# KiCad board EOutside.kicad_pcb (continued)
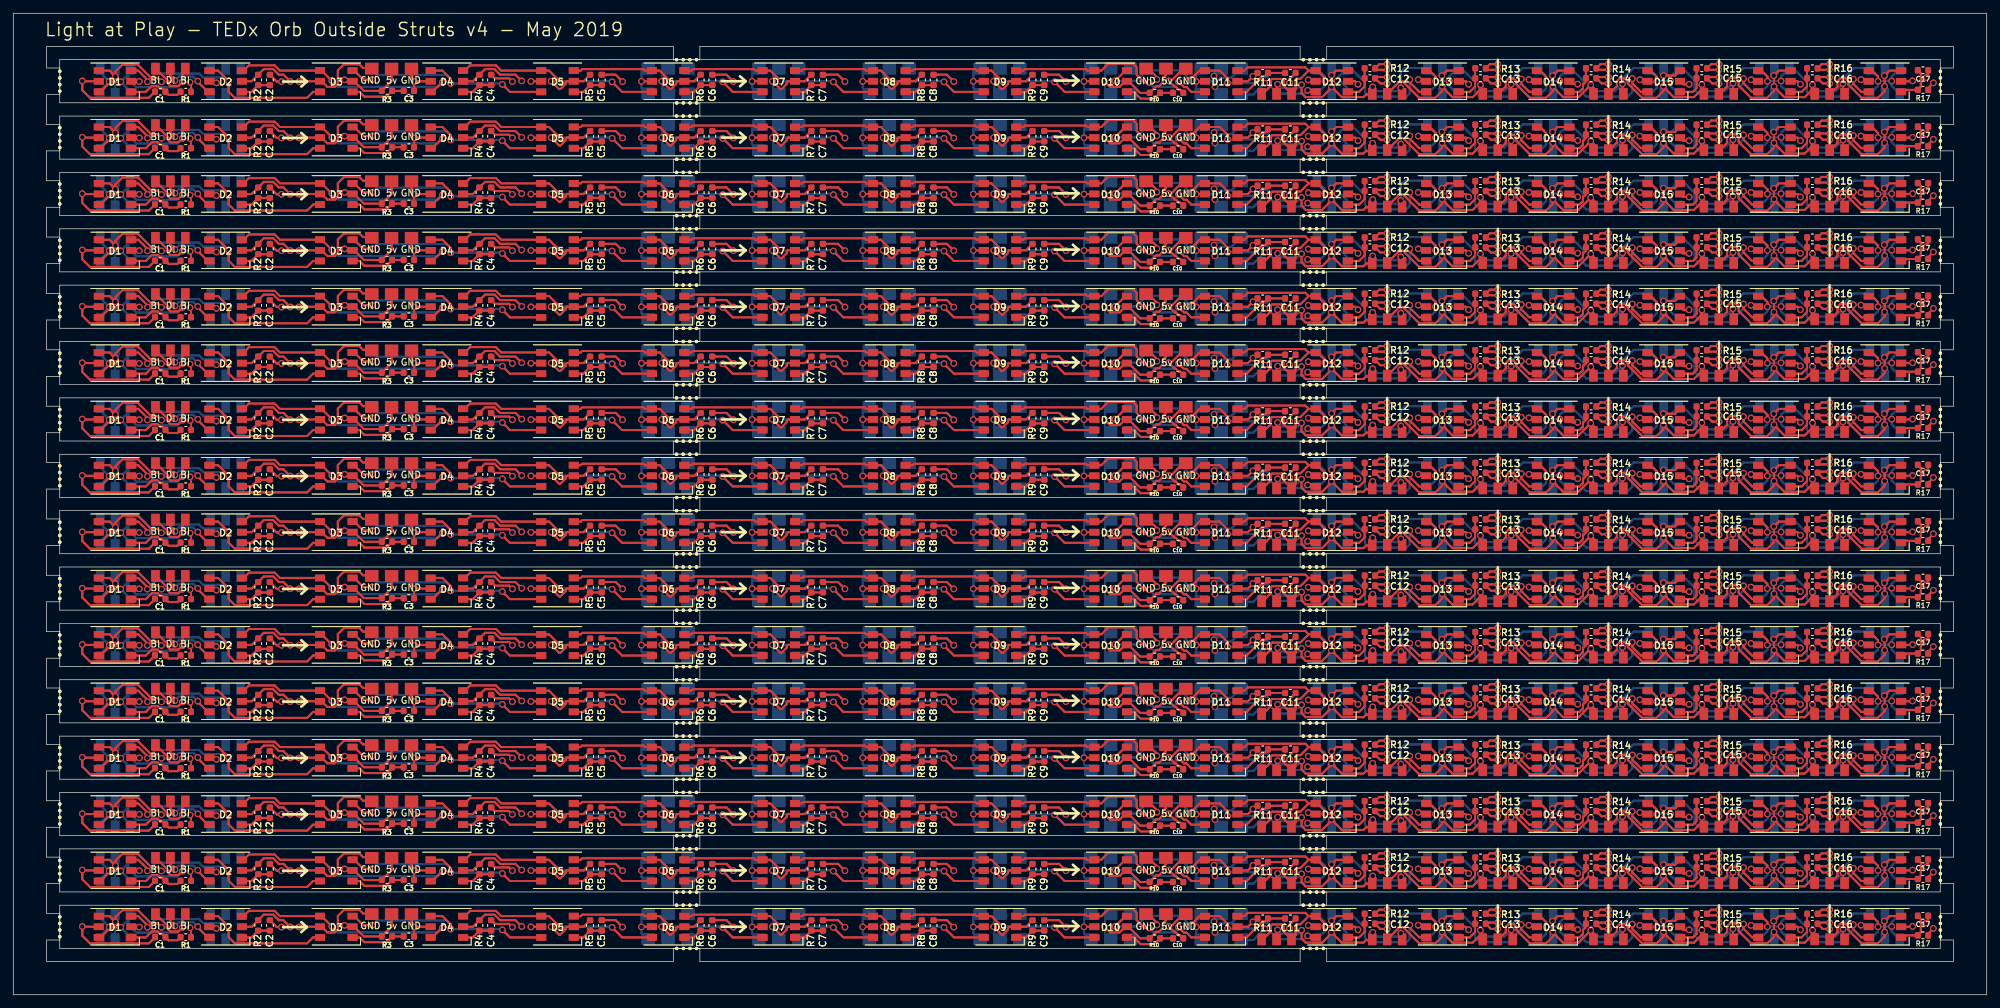
[diagram p0: board, top side]
## Routing (per net, layer and track width the routed paths; a pad name or vN(x,y) marks a point on that pad's centre or on a via; arc(x,y) is an arc through that point) (continued)
  Bottom w0.3: 90.11,137.77 v1(90.22,137.65) 90.11,137.77 ; 90.11,137.77 v1(82.3,137.77) 90.11,137.77 ; 90.11,129.27 v1(90.22,129.15) 90.11,129.27 ; 90.11,129.27 v1(82.3,129.27) 90.11,129.27 ; 90.11,120.77 v1(90.22,120.65) 90.11,120.77 ; 90.11,120.77 v1(82.3,120.77) 90.11,120.77 ; 90.11,112.27 v1(82.3,112.27) 90.11,112.27 ; 90.11,112.27 v1(90.22,112.15) 90.11,112.27 ; 90.11,103.77 v1(90.22,103.65) 90.11,103.77 ; 90.11,103.77 v1(82.3,103.77) 90.11,103.77 ; 90.11,95.27 v1(82.3,95.27) 90.11,95.27 ; 90.11,95.27 v1(90.22,95.15) 90.11,95.27 ; 90.11,78.27 v1(82.3,78.27) 90.11,78.27 ; 90.11,78.27 v1(90.22,78.15) 90.11,78.27 ; 90.11,86.77 v1(90.22,86.65) 90.11,86.77 ; 90.11,86.77 v1(82.3,86.77) 90.11,86.77 ; 90.11,69.77 v1(90.22,69.65) 90.11,69.77 ; 90.11,69.77 v1(82.3,69.77) 90.11,69.77 ; 90.11,61.27 v1(82.3,61.27) 90.11,61.27 ; 90.11,61.27 v1(90.22,61.15) 90.11,61.27 ; 90.11,44.27 v1(82.3,44.27) 90.11,44.27 ; 90.11,44.27 v1(90.22,44.15) 90.11,44.27 ; 90.11,52.77 v1(90.22,52.65) 90.11,52.77 ; 90.11,52.77 v1(82.3,52.77) 90.11,52.77 ; 90.11,27.27 v1(82.3,27.27) 90.11,27.27 ; 90.11,27.27 v1(90.22,27.15) 90.11,27.27 ; 90.11,35.77 v1(90.22,35.65) 90.11,35.77 ; 90.11,35.77 v1(82.3,35.77) 90.11,35.77 ; 90.11,18.77 v1(90.22,18.65) 90.11,18.77 ; 90.11,18.77 v1(82.3,18.77) 90.11,18.77 ; 90.11,10.27 v1(82.3,10.27) 90.11,10.27 ; 90.11,10.27 v1(90.22,10.15) 90.11,10.27
Net-(D5-Pad3): length 958.2
  Top w0.3: 107.39,137.15 v1(106.89,137.65) 107.39,137.15 ; 107.39,137.15 108.39,136.15 ; 107.39,137.15 108.39,136.15 ; 108.39,136.15 D7.6 108.39,136.15 ; 85.5,139.35 D5.3 85.5,139.35 ; 85.5,139.35 85.73,139.58 ; 85.5,139.35 85.73,139.58 ; 85.73,139.58 94.94,139.58 ; 85.73,139.58 94.94,139.58 ; 94.94,139.58 95.17,139.35 ; 94.94,139.58 95.17,139.35 ; 95.17,139.35 D6.4 ; 95.17,139.35 D6.4 ; D6.4 97.39,139.35 ; D6.4 97.39,139.35 ; 98.47,138.27 v1(98.97,137.77) 98.47,138.27 ; 98.47,138.27 97.39,139.35 ; 98.47,138.27 97.39,139.35 ; 107.39,128.65 v1(106.89,129.15) 107.39,128.65 ; 107.39,128.65 108.39,127.65 ; 107.39,128.65 108.39,127.65 ; 108.39,127.65 D7#2.6 108.39,127.65 ; 98.47,129.77 v1(98.97,129.27) 98.47,129.77 ; 98.47,129.77 97.39,130.85 ; 98.47,129.77 97.39,130.85 ; 97.39,130.85 D6#2.4 ; 97.39,130.85 D6#2.4 ; D6#2.4 95.17,130.85 ; D6#2.4 95.17,130.85 ; 85.5,130.85 D5#2.3 85.5,130.85 ; 85.5,130.85 85.73,131.08 ; 85.5,130.85 85.73,131.08 ; 85.73,131.08 94.94,131.08 ; 85.73,131.08 94.94,131.08 ; 94.94,131.08 95.17,130.85 ; 94.94,131.08 95.17,130.85 ; 107.39,120.15 v1(106.89,120.65) 107.39,120.15 ; 107.39,120.15 108.39,119.15 ; 107.39,120.15 108.39,119.15 ; 108.39,119.15 D7#3.6 108.39,119.15 ; 98.47,121.27 v1(98.97,120.77) 98.47,121.27 ; 98.47,121.27 97.39,122.35 ; 98.47,121.27 97.39,122.35 ; 97.39,122.35 D6#4.4 ; 97.39,122.35 D6#4.4 ; D6#4.4 95.17,122.35 ; D6#4.4 95.17,122.35 ; 85.5,122.35 D5#3.3 85.5,122.35 ; 85.5,122.35 85.73,122.58 ; 85.5,122.35 85.73,122.58 ; 85.73,122.58 94.94,122.58 ; 85.73,122.58 94.94,122.58 ; 94.94,122.58 95.17,122.35 ; 94.94,122.58 95.17,122.35 ; 95.17,113.85 94.94,114.08 ; 95.17,113.85 D6#3.4 ; 95.17,113.85 94.94,114.08 ; 95.17,113.85 D6#3.4 ; 94.94,114.08 85.73,114.08 ; 94.94,114.08 85.73,114.08 ; D6#3.4 97.39,113.85 ; D6#3.4 97.39,113.85 ; 85.73,114.08 85.5,113.85 ; 85.73,114.08 85.5,113.85 ; 85.5,113.85 D5#4.3 85.5,113.85 ; 97.39,113.85 98.47,112.77 ; 97.39,113.85 98.47,112.77 ; 98.47,112.77 v1(98.97,112.27) 98.47,112.77 ; 108.39,110.65 D7#4.6 108.39,110.65 ; 108.39,110.65 107.39,111.65 ; 108.39,110.65 107.39,111.65 ; 107.39,111.65 v1(106.89,112.15) 107.39,111.65 ; 107.39,103.15 v1(106.89,103.65) 107.39,103.15 ; 107.39,103.15 108.39,102.15 ; 107.39,103.15 108.39,102.15 ; 108.39,102.15 D7#13.6 108.39,102.15 ; 98.47,104.27 v1(98.97,103.77) 98.47,104.27 ; 98.47,104.27 97.39,105.35 ; 98.47,104.27 97.39,105.35 ; 97.39,105.35 D6#14.4 ; 97.39,105.35 D6#14.4 ; D6#14.4 95.17,105.35 ; D6#14.4 95.17,105.35 ; 85.5,105.35 D5#11.3 85.5,105.35 ; 85.5,105.35 85.73,105.58 ; 85.5,105.35 85.73,105.58 ; 85.73,105.58 94.94,105.58 ; 85.73,105.58 94.94,105.58 ; 94.94,105.58 95.17,105.35 ; 94.94,105.58 95.17,105.35 ; 95.17,96.85 94.94,97.08 ; 95.17,96.85 D6#13.4 ; 95.17,96.85 94.94,97.08 ; 95.17,96.85 D6#13.4 ; 94.94,97.08 85.73,97.08 ; 94.94,97.08 85.73,97.08 ; D6#13.4 97.39,96.85 ; D6#13.4 97.39,96.85 ; 85.73,97.08 85.5,96.85 ; 85.73,97.08 85.5,96.85 ; 85.5,96.85 D5#15.3 85.5,96.85 ; 97.39,96.85 98.47,95.77 ; 97.39,96.85 98.47,95.77 ; 98.47,95.77 v1(98.97,95.27) 98.47,95.77 ; 108.39,93.65 D7#15.6 108.39,93.65 ; 108.39,93.65 107.39,94.65 ; 108.39,93.65 107.39,94.65 ; 107.39,94.65 v1(106.89,95.15) 107.39,94.65 ; 108.39,76.65 107.39,77.65 ; 108.39,76.65 D7#10.6 108.39,76.65 ; 108.39,76.65 107.39,77.65 ; 107.39,77.65 v1(106.89,78.15) 107.39,77.65 ; 98.47,78.77 v1(98.97,78.27) 98.47,78.77 ; 98.47,78.77 97.39,79.85 ; 98.47,78.77 97.39,79.85 ; 95.17,79.85 94.94,80.08 ; 95.17,79.85 D6#9.4 ; 95.17,79.85 94.94,80.08 ; 95.17,79.85 D6#9.4 ; 94.94,80.08 85.73,80.08 ; 94.94,80.08 85.73,80.08 ; D6#9.4 97.39,79.85 ; D6#9.4 97.39,79.85 ; 85.73,80.08 85.5,79.85 ; 85.73,80.08 85.5,79.85 ; 85.5,79.85 D5#9.3 85.5,79.85 ; 107.39,86.15 v1(106.89,86.65) 107.39,86.15 ; 107.39,86.15 108.39,85.15 ; 107.39,86.15 108.39,85.15 ; 108.39,85.15 D7#9.6 108.39,85.15 ; 98.47,87.27 v1(98.97,86.77) 98.47,87.27 ; 98.47,87.27 97.39,88.35 ; 98.47,87.27 97.39,88.35 ; 97.39,88.35 D6#10.4 ; 97.39,88.35 D6#10.4 ; D6#10.4 95.17,88.35 ; D6#10.4 95.17,88.35 ; 85.5,88.35 D5#10.3 85.5,88.35 ; 85.5,88.35 85.73,88.58 ; 85.5,88.35 85.73,88.58 ; 85.73,88.58 94.94,88.58 ; 85.73,88.58 94.94,88.58 ; 94.94,88.58 95.17,88.35 ; 94.94,88.58 95.17,88.35 ; 85.5,71.35 D5#19.3 85.5,71.35 ; 85.5,71.35 85.73,71.58 ; 85.5,71.35 85.73,71.58 ; 85.73,71.58 94.94,71.58 ; 85.73,71.58 94.94,71.58 ; 94.94,71.58 95.17,71.35 ; 94.94,71.58 95.17,71.35 ; 95.17,71.35 D6#20.4 ; 95.17,71.35 D6#20.4 ; D6#20.4 97.39,71.35 ; D6#20.4 97.39,71.35 ; 107.39,69.15 v1(106.89,69.65) 107.39,69.15 ; 107.39,69.15 108.39,68.15 ; 107.39,69.15 108.39,68.15 ; 108.39,68.15 D7#17.6 108.39,68.15 ; 98.47,70.27 v1(98.97,69.77) 98.47,70.27 ; 98.47,70.27 97.39,71.35 ; 98.47,70.27 97.39,71.35 ; 107.39,60.65 v1(106.89,61.15) 107.39,60.65 ; 107.39,60.65 108.39,59.65 ; 107.39,60.65 108.39,59.65 ; 98.47,61.77 v1(98.97,61.27) 98.47,61.77 ; 98.47,61.77 97.39,62.85 ; 98.47,61.77 97.39,62.85 ; 95.17,62.85 94.94,63.08 ; 95.17,62.85 D6#19.4 ; 95.17,62.85 94.94,63.08 ; 95.17,62.85 D6#19.4 ; 94.94,63.08 85.73,63.08 ; 94.94,63.08 85.73,63.08 ; D6#19.4 97.39,62.85 ; D6#19.4 97.39,62.85 ; 85.73,63.08 85.5,62.85 ; 85.73,63.08 85.5,62.85 ; 85.5,62.85 D5#22.3 85.5,62.85 ; 108.39,59.65 D7#21.6 108.39,59.65 ; 108.39,42.65 107.39,43.65 ; 108.39,42.65 D7#18.6 108.39,42.65 ; 108.39,42.65 107.39,43.65 ; 107.39,43.65 v1(106.89,44.15) 107.39,43.65 ; 98.47,44.77 v1(98.97,44.27) 98.47,44.77 ; 98.47,44.77 97.39,45.85 ; 98.47,44.77 97.39,45.85 ; 95.17,45.85 94.94,46.08 ; 95.17,45.85 D6#18.4 ; 95.17,45.85 94.94,46.08 ; 95.17,45.85 D6#18.4 ; 94.94,46.08 85.73,46.08 ; 94.94,46.08 85.73,46.08 ; D6#18.4 97.39,45.85 ; D6#18.4 97.39,45.85 ; 85.73,46.08 85.5,45.85 ; 85.73,46.08 85.5,45.85 ; 85.5,45.85 D5#17.3 85.5,45.85 ; 107.39,52.15 v1(106.89,52.65) 107.39,52.15 ; 107.39,52.15 108.39,51.15 ; 107.39,52.15 108.39,51.15 ; 108.39,51.15 D7#22.6 108.39,51.15 ; 98.47,53.27 v1(98.97,52.77) 98.47,53.27 ; 98.47,53.27 97.39,54.35 ; 98.47,53.27 97.39,54.35 ; 97.39,54.35 D6#17.4 ; 97.39,54.35 D6#17.4 ; D6#17.4 95.17,54.35 ; D6#17.4 95.17,54.35 ; 85.5,54.35 D5#18.3 85.5,54.35 ; 85.5,54.35 85.73,54.58 ; 85.5,54.35 85.73,54.58 ; 85.73,54.58 94.94,54.58 ; 85.73,54.58 94.94,54.58 ; 94.94,54.58 95.17,54.35 ; 94.94,54.58 95.17,54.35 ; 95.17,28.85 94.94,29.08 ; 95.17,28.85 D6#27.4 ; 95.17,28.85 94.94,29.08 ; 95.17,28.85 D6#27.4 ; 94.94,29.08 85.73,29.08 ; 94.94,29.08 85.73,29.08 ; D6#27.4 97.39,28.85 ; D6#27.4 97.39,28.85 ; 85.73,29.08 85.5,28.85 ; 85.73,29.08 85.5,28.85 ; 85.5,28.85 D5#26.3 85.5,28.85 ; 97.39,28.85 98.47,27.77 ; 97.39,28.85 98.47,27.77 ; 98.47,27.77 v1(98.97,27.27) 98.47,27.77 ; 108.39,25.65 D7#28.6 108.39,25.65 ; 108.39,25.65 107.39,26.65 ; 108.39,25.65 107.39,26.65 ; 107.39,26.65 v1(106.89,27.15) 107.39,26.65 ; 108.39,8.65 107.39,9.65 ; 108.39,8.65 D7#27.6 108.39,8.65 ; 108.39,8.65 107.39,9.65 ; 107.39,9.65 v1(106.89,10.15) 107.39,9.65 ; 107.39,35.15 v1(106.89,35.65) 107.39,35.15 ; 107.39,35.15 108.39,34.15 ; 107.39,35.15 108.39,34.15 ; 108.39,34.15 D7#25.6 108.39,34.15 ; 98.47,36.27 v1(98.97,35.77) 98.47,36.27 ; 98.47,36.27 97.39,37.35 ; 98.47,36.27 97.39,37.35 ; 97.39,37.35 D6#26.4 ; 97.39,37.35 D6#26.4 ; D6#26.4 95.17,37.35 ; D6#26.4 95.17,37.35 ; 85.5,37.35 D5#29.3 85.5,37.35 ; 85.5,37.35 85.73,37.58 ; 85.5,37.35 85.73,37.58 ; 85.73,37.58 94.94,37.58 ; 85.73,37.58 94.94,37.58 ; 94.94,37.58 95.17,37.35 ; 94.94,37.58 95.17,37.35 ; 107.39,18.15 v1(106.89,18.65) 107.39,18.15 ; 107.39,18.15 108.39,17.15 ; 107.39,18.15 108.39,17.15 ; 108.39,17.15 D7#29.6 108.39,17.15 ; 98.47,19.27 v1(98.97,18.77) 98.47,19.27 ; 98.47,19.27 97.39,20.35 ; 98.47,19.27 97.39,20.35 ; 97.39,20.35 D6#25.4 ; 97.39,20.35 D6#25.4 ; D6#25.4 95.17,20.35 ; D6#25.4 95.17,20.35 ; 85.5,20.35 D5#25.3 85.5,20.35 ; 85.5,20.35 85.73,20.58 ; 85.5,20.35 85.73,20.58 ; 85.73,20.58 94.94,20.58 ; 85.73,20.58 94.94,20.58 ; 94.94,20.58 95.17,20.35 ; 94.94,20.58 95.17,20.35 ; D6#28.4 97.39,11.85 ; D6#28.4 95.17,11.85 ; D6#28.4 95.17,11.85 ; D6#28.4 97.39,11.85 ; 97.39,11.85 98.47,10.77 ; 97.39,11.85 98.47,10.77 ; 98.47,10.77 v1(98.97,10.27) 98.47,10.77 ; 95.17,11.85 94.94,12.08 ; 95.17,11.85 94.94,12.08 ; 94.94,12.08 85.73,12.08 ; 94.94,12.08 85.73,12.08 ; 85.73,12.08 85.5,11.85 ; 85.73,12.08 85.5,11.85 ; 85.5,11.85 D5#27.3 85.5,11.85
  Bottom w0.3: 106.77,137.77 v1(106.89,137.65) 106.77,137.77 ; 106.77,137.77 v1(98.97,137.77) 106.77,137.77 ; 106.77,129.27 v1(106.89,129.15) 106.77,129.27 ; 106.77,129.27 v1(98.97,129.27) 106.77,129.27 ; 106.77,120.77 v1(106.89,120.65) 106.77,120.77 ; 106.77,120.77 v1(98.97,120.77) 106.77,120.77 ; 106.77,112.27 v1(106.89,112.15) 106.77,112.27 ; 106.77,112.27 v1(98.97,112.27) 106.77,112.27 ; 106.77,103.77 v1(106.89,103.65) 106.77,103.77 ; 106.77,103.77 v1(98.97,103.77) 106.77,103.77 ; 106.77,95.27 v1(106.89,95.15) 106.77,95.27 ; 106.77,95.27 v1(98.97,95.27) 106.77,95.27 ; 106.77,78.27 v1(106.89,78.15) 106.77,78.27 ; 106.77,78.27 v1(98.97,78.27) 106.77,78.27 ; 106.77,86.77 v1(106.89,86.65) 106.77,86.77 ; 106.77,86.77 v1(98.97,86.77) 106.77,86.77 ; 106.77,69.77 v1(106.89,69.65) 106.77,69.77 ; 106.77,69.77 v1(98.97,69.77) 106.77,69.77 ; 106.77,61.27 v1(98.97,61.27) 106.77,61.27 ; 106.77,61.27 v1(106.89,61.15) 106.77,61.27 ; 106.77,44.27 v1(106.89,44.15) 106.77,44.27 ; 106.77,44.27 v1(98.97,44.27) 106.77,44.27 ; 106.77,52.77 v1(106.89,52.65) 106.77,52.77 ; 106.77,52.77 v1(98.97,52.77) 106.77,52.77 ; 106.77,27.27 v1(106.89,27.15) 106.77,27.27 ; 106.77,27.27 v1(98.97,27.27) 106.77,27.27 ; 106.77,10.27 v1(106.89,10.15) 106.77,10.27 ; 106.77,10.27 v1(98.97,10.27) 106.77,10.27 ; 106.77,35.77 v1(106.89,35.65) 106.77,35.77 ; 106.77,35.77 v1(98.97,35.77) 106.77,35.77 ; 106.77,18.77 v1(106.89,18.65) 106.77,18.77 ; 106.77,18.77 v1(98.97,18.77) 106.77,18.77
Net-(D6-Pad3): length 958.2
  Top w0.3: 124.06,137.15 v1(123.56,137.65) 124.06,137.15 ; 124.06,137.15 125.06,136.15 ; 124.06,137.15 125.06,136.15 ; 125.06,136.15 D8.6 125.06,136.15 ; 102.17,139.35 D6.3 102.17,139.35 ; 102.17,139.35 102.39,139.58 ; 102.17,139.35 102.39,139.58 ; 102.39,139.58 111.61,139.58 ; 102.39,139.58 111.61,139.58 ; 111.61,139.58 111.83,139.35 ; 111.61,139.58 111.83,139.35 ; 111.83,139.35 D7.4 ; 111.83,139.35 D7.4 ; D7.4 114.06,139.35 ; D7.4 114.06,139.35 ; 115.14,138.27 v1(115.64,137.77) 115.14,138.27 ; 115.14,138.27 114.06,139.35 ; 115.14,138.27 114.06,139.35 ; 124.06,128.65 v1(123.56,129.15) 124.06,128.65 ; 124.06,128.65 125.06,127.65 ; 124.06,128.65 125.06,127.65 ; 125.06,127.65 D8#2.6 125.06,127.65 ; 115.14,129.77 v1(115.64,129.27) 115.14,129.77 ; 115.14,129.77 114.06,130.85 ; 115.14,129.77 114.06,130.85 ; 114.06,130.85 D7#2.4 ; 114.06,130.85 D7#2.4 ; D7#2.4 111.83,130.85 ; D7#2.4 111.83,130.85 ; 102.17,130.85 D6#2.3 102.17,130.85 ; 102.17,130.85 102.39,131.08 ; 102.17,130.85 102.39,131.08 ; 102.39,131.08 111.61,131.08 ; 102.39,131.08 111.61,131.08 ; 111.61,131.08 111.83,130.85 ; 111.61,131.08 111.83,130.85 ; 124.06,120.15 v1(123.56,120.65) 124.06,120.15 ; 124.06,120.15 125.06,119.15 ; 124.06,120.15 125.06,119.15 ; 125.06,119.15 D8#3.6 125.06,119.15 ; 115.14,121.27 v1(115.64,120.77) 115.14,121.27 ; 115.14,121.27 114.06,122.35 ; 115.14,121.27 114.06,122.35 ; 114.06,122.35 D7#3.4 ; 114.06,122.35 D7#3.4 ; D7#3.4 111.83,122.35 ; D7#3.4 111.83,122.35 ; 102.17,122.35 D6#4.3 102.17,122.35 ; 102.17,122.35 102.39,122.58 ; 102.17,122.35 102.39,122.58 ; 102.39,122.58 111.61,122.58 ; 102.39,122.58 111.61,122.58 ; 111.61,122.58 111.83,122.35 ; 111.61,122.58 111.83,122.35 ; 124.06,111.65 v1(123.56,112.15) 124.06,111.65 ; 124.06,111.65 125.06,110.65 ; 124.06,111.65 125.06,110.65 ; 115.14,112.77 v1(115.64,112.27) 115.14,112.77 ; 115.14,112.77 114.06,113.85 ; 115.14,112.77 114.06,113.85 ; D7#4.4 111.83,113.85 ; D7#4.4 114.06,113.85 ; D7#4.4 111.83,113.85 ; D7#4.4 114.06,113.85 ; 111.83,113.85 111.61,114.08 ; 111.83,113.85 111.61,114.08 ; 111.61,114.08 102.39,114.08 ; 111.61,114.08 102.39,114.08 ; 102.39,114.08 102.17,113.85 ; 102.39,114.08 102.17,113.85 ; 102.17,113.85 D6#3.3 102.17,113.85 ; 125.06,110.65 D8#4.6 125.06,110.65 ; 124.06,103.15 v1(123.56,103.65) 124.06,103.15 ; 124.06,103.15 125.06,102.15 ; 124.06,103.15 125.06,102.15 ; 125.06,102.15 D8#13.6 125.06,102.15 ; 115.14,104.27 v1(115.64,103.77) 115.14,104.27 ; 115.14,104.27 114.06,105.35 ; 115.14,104.27 114.06,105.35 ; 114.06,105.35 D7#13.4 ; 114.06,105.35 D7#13.4 ; D7#13.4 111.83,105.35 ; D7#13.4 111.83,105.35 ; 102.17,105.35 D6#14.3 102.17,105.35 ; 102.17,105.35 102.39,105.58 ; 102.17,105.35 102.39,105.58 ; 102.39,105.58 111.61,105.58 ; 102.39,105.58 111.61,105.58 ; 111.61,105.58 111.83,105.35 ; 111.61,105.58 111.83,105.35 ; 124.06,94.65 v1(123.56,95.15) 124.06,94.65 ; 124.06,94.65 125.06,93.65 ; 124.06,94.65 125.06,93.65 ; 115.14,95.77 v1(115.64,95.27) 115.14,95.77 ; 115.14,95.77 114.06,96.85 ; 115.14,95.77 114.06,96.85 ; D7#15.4 111.83,96.85 ; D7#15.4 114.06,96.85 ; D7#15.4 111.83,96.85 ; D7#15.4 114.06,96.85 ; 111.83,96.85 111.61,97.08 ; 111.83,96.85 111.61,97.08 ; 111.61,97.08 102.39,97.08 ; 111.61,97.08 102.39,97.08 ; 102.39,97.08 102.17,96.85 ; 102.39,97.08 102.17,96.85 ; 102.17,96.85 D6#13.3 102.17,96.85 ; 125.06,93.65 D8#15.6 125.06,93.65 ; 124.06,77.65 v1(123.56,78.15) 124.06,77.65 ; 124.06,77.65 125.06,76.65 ; 124.06,77.65 125.06,76.65 ; 115.14,78.77 v1(115.64,78.27) 115.14,78.77 ; 115.14,78.77 114.06,79.85 ; 115.14,78.77 114.06,79.85 ; D7#10.4 111.83,79.85 ; D7#10.4 114.06,79.85 ; D7#10.4 111.83,79.85 ; D7#10.4 114.06,79.85 ; 111.83,79.85 111.61,80.08 ; 111.83,79.85 111.61,80.08 ; 111.61,80.08 102.39,80.08 ; 111.61,80.08 102.39,80.08 ; 102.39,80.08 102.17,79.85 ; 102.39,80.08 102.17,79.85 ; 102.17,79.85 D6#9.3 102.17,79.85 ; 125.06,76.65 D8#10.6 125.06,76.65 ; 124.06,86.15 v1(123.56,86.65) 124.06,86.15 ; 124.06,86.15 125.06,85.15 ; 124.06,86.15 125.06,85.15 ; 125.06,85.15 D8#9.6 125.06,85.15 ; 115.14,87.27 v1(115.64,86.77) 115.14,87.27 ; 115.14,87.27 114.06,88.35 ; 115.14,87.27 114.06,88.35 ; 114.06,88.35 D7#9.4 ; 114.06,88.35 D7#9.4 ; D7#9.4 111.83,88.35 ; D7#9.4 111.83,88.35 ; 102.17,88.35 D6#10.3 102.17,88.35 ; 102.17,88.35 102.39,88.58 ; 102.17,88.35 102.39,88.58 ; 102.39,88.58 111.61,88.58 ; 102.39,88.58 111.61,88.58 ; 111.61,88.58 111.83,88.35 ; 111.61,88.58 111.83,88.35 ; 124.06,69.15 v1(123.56,69.65) 124.06,69.15 ; 124.06,69.15 125.06,68.15 ; 124.06,69.15 125.06,68.15 ; 125.06,68.15 D8#17.6 125.06,68.15 ; 115.14,70.27 v1(115.64,69.77) 115.14,70.27 ; 115.14,70.27 114.06,71.35 ; 115.14,70.27 114.06,71.35 ; 114.06,71.35 D7#17.4 ; 114.06,71.35 D7#17.4 ; D7#17.4 111.83,71.35 ; D7#17.4 111.83,71.35 ; 102.17,71.35 D6#20.3 102.17,71.35 ; 102.17,71.35 102.39,71.58 ; 102.17,71.35 102.39,71.58 ; 102.39,71.58 111.61,71.58 ; 102.39,71.58 111.61,71.58 ; 111.61,71.58 111.83,71.35 ; 111.61,71.58 111.83,71.35 ; 124.06,60.65 v1(123.56,61.15) 124.06,60.65 ; 124.06,60.65 125.06,59.65 ; 124.06,60.65 125.06,59.65 ; 115.14,61.77 v1(115.64,61.27) 115.14,61.77 ; 115.14,61.77 114.06,62.85 ; 115.14,61.77 114.06,62.85 ; D7#21.4 111.83,62.85 ; D7#21.4 114.06,62.85 ; D7#21.4 111.83,62.85 ; D7#21.4 114.06,62.85 ; 111.83,62.85 111.61,63.08 ; 111.83,62.85 111.61,63.08 ; 111.61,63.08 102.39,63.08 ; 111.61,63.08 102.39,63.08 ; 102.39,63.08 102.17,62.85 ; 102.39,63.08 102.17,62.85 ; 102.17,62.85 D6#19.3 102.17,62.85 ; 125.06,59.65 D8#21.6 125.06,59.65 ; 124.06,43.65 v1(123.56,44.15) 124.06,43.65 ; 124.06,43.65 125.06,42.65 ; 124.06,43.65 125.06,42.65 ; 115.14,44.77 v1(115.64,44.27) 115.14,44.77 ; 115.14,44.77 114.06,45.85 ; 115.14,44.77 114.06,45.85 ; D7#18.4 111.83,45.85 ; D7#18.4 114.06,45.85 ; D7#18.4 111.83,45.85 ; D7#18.4 114.06,45.85 ; 111.83,45.85 111.61,46.08 ; 111.83,45.85 111.61,46.08 ; 111.61,46.08 102.39,46.08 ; 111.61,46.08 102.39,46.08 ; 102.39,46.08 102.17,45.85 ; 102.39,46.08 102.17,45.85 ; 102.17,45.85 D6#18.3 102.17,45.85 ; 125.06,42.65 D8#19.6 125.06,42.65 ; 124.06,52.15 v1(123.56,52.65) 124.06,52.15 ; 124.06,52.15 125.06,51.15 ; 124.06,52.15 125.06,51.15 ; 125.06,51.15 D8#18.6 125.06,51.15 ; 115.14,53.27 v1(115.64,52.77) 115.14,53.27 ; 115.14,53.27 114.06,54.35 ; 115.14,53.27 114.06,54.35 ; 114.06,54.35 D7#22.4 ; 114.06,54.35 D7#22.4 ; D7#22.4 111.83,54.35 ; D7#22.4 111.83,54.35 ; 102.17,54.35 D6#17.3 102.17,54.35 ; 102.17,54.35 102.39,54.58 ; 102.17,54.35 102.39,54.58 ; 102.39,54.58 111.61,54.58 ; 102.39,54.58 111.61,54.58 ; 111.61,54.58 111.83,54.35 ; 111.61,54.58 111.83,54.35 ; 124.06,26.65 v1(123.56,27.15) 124.06,26.65 ; 124.06,26.65 125.06,25.65 ; 124.06,26.65 125.06,25.65 ; 115.14,27.77 v1(115.64,27.27) 115.14,27.77 ; 115.14,27.77 114.06,28.85 ; 115.14,27.77 114.06,28.85 ; D7#28.4 111.83,28.85 ; D7#28.4 114.06,28.85 ; D7#28.4 111.83,28.85 ; D7#28.4 114.06,28.85 ; 111.83,28.85 111.61,29.08 ; 111.83,28.85 111.61,29.08 ; 111.61,29.08 102.39,29.08 ; 111.61,29.08 102.39,29.08 ; 102.39,29.08 102.17,28.85 ; 102.39,29.08 102.17,28.85 ; 102.17,28.85 D6#27.3 102.17,28.85 ; 125.06,25.65 D8#25.6 125.06,25.65 ; 125.06,34.15 124.06,35.15 ; 125.06,34.15 D8#27.6 125.06,34.15 ; 125.06,34.15 124.06,35.15 ; 124.06,35.15 v1(123.56,35.65) 124.06,35.15 ; 115.14,36.27 v1(115.64,35.77) 115.14,36.27 ; 115.14,36.27 114.06,37.35 ; 115.14,36.27 114.06,37.35 ; 114.06,37.35 D7#25.4 ; 114.06,37.35 D7#25.4 ; D7#25.4 111.83,37.35 ; D7#25.4 111.83,37.35 ; 102.17,37.35 D6#26.3 102.17,37.35 ; 102.17,37.35 102.39,37.58 ; 102.17,37.35 102.39,37.58 ; 102.39,37.58 111.61,37.58 ; 102.39,37.58 111.61,37.58 ; 111.61,37.58 111.83,37.35 ; 111.61,37.58 111.83,37.35 ; 124.06,18.15 v1(123.56,18.65) 124.06,18.15 ; 124.06,18.15 125.06,17.15 ; 124.06,18.15 125.06,17.15 ; 125.06,17.15 D8#26.6 125.06,17.15 ; 115.14,19.27 v1(115.64,18.77) 115.14,19.27 ; 115.14,19.27 114.06,20.35 ; 115.14,19.27 114.06,20.35 ; 114.06,20.35 D7#29.4 ; 114.06,20.35 D7#29.4 ; D7#29.4 111.83,20.35 ; D7#29.4 111.83,20.35 ; 102.17,20.35 D6#25.3 102.17,20.35 ; 102.17,20.35 102.39,20.58 ; 102.17,20.35 102.39,20.58 ; 102.39,20.58 111.61,20.58 ; 102.39,20.58 111.61,20.58 ; 111.61,20.58 111.83,20.35 ; 111.61,20.58 111.83,20.35 ; 124.06,9.65 v1(123.56,10.15) 124.06,9.65 ; 124.06,9.65 125.06,8.65 ; 124.06,9.65 125.06,8.65 ; 115.14,10.77 v1(115.64,10.27) 115.14,10.77 ; 115.14,10.77 114.06,11.85 ; 115.14,10.77 114.06,11.85 ; D7#27.4 111.83,11.85 ; D7#27.4 114.06,11.85 ; D7#27.4 111.83,11.85 ; D7#27.4 114.06,11.85 ; 111.83,11.85 111.61,12.08 ; 111.83,11.85 111.61,12.08 ; 111.61,12.08 102.39,12.08 ; 111.61,12.08 102.39,12.08 ; 102.39,12.08 102.17,11.85 ; 102.39,12.08 102.17,11.85 ; 102.17,11.85 D6#28.3 102.17,11.85 ; 125.06,8.65 D8#28.6 125.06,8.65
  Bottom w0.3: 123.44,137.77 v1(123.56,137.65) 123.44,137.77 ; 123.44,137.77 v1(115.64,137.77) 123.44,137.77 ; 123.44,129.27 v1(123.56,129.15) 123.44,129.27 ; 123.44,129.27 v1(115.64,129.27) 123.44,129.27 ; 123.44,120.77 v1(123.56,120.65) 123.44,120.77 ; 123.44,120.77 v1(115.64,120.77) 123.44,120.77 ; 123.44,112.27 v1(115.64,112.27) 123.44,112.27 ; 123.44,112.27 v1(123.56,112.15) 123.44,112.27 ; 123.44,103.77 v1(123.56,103.65) 123.44,103.77 ; 123.44,103.77 v1(115.64,103.77) 123.44,103.77 ; 123.44,95.27 v1(115.64,95.27) 123.44,95.27 ; 123.44,95.27 v1(123.56,95.15) 123.44,95.27 ; 123.44,78.27 v1(115.64,78.27) 123.44,78.27 ; 123.44,78.27 v1(123.56,78.15) 123.44,78.27 ; 123.44,86.77 v1(123.56,86.65) 123.44,86.77 ; 123.44,86.77 v1(115.64,86.77) 123.44,86.77 ; 123.44,69.77 v1(123.56,69.65) 123.44,69.77 ; 123.44,69.77 v1(115.64,69.77) 123.44,69.77 ; 123.44,61.27 v1(115.64,61.27) 123.44,61.27 ; 123.44,61.27 v1(123.56,61.15) 123.44,61.27 ; 123.44,44.27 v1(115.64,44.27) 123.44,44.27 ; 123.44,44.27 v1(123.56,44.15) 123.44,44.27 ; 123.44,52.77 v1(123.56,52.65) 123.44,52.77 ; 123.44,52.77 v1(115.64,52.77) 123.44,52.77 ; 123.44,27.27 v1(115.64,27.27) 123.44,27.27 ; 123.44,27.27 v1(123.56,27.15) 123.44,27.27 ; 123.44,35.77 v1(115.64,35.77) 123.44,35.77 ; 123.44,35.77 v1(123.56,35.65) 123.44,35.77 ; 123.44,18.77 v1(123.56,18.65) 123.44,18.77 ; 123.44,18.77 v1(115.64,18.77) 123.44,18.77 ; 123.44,10.27 v1(115.64,10.27) 123.44,10.27 ; 123.44,10.27 v1(123.56,10.15) 123.44,10.27
